# Allegro board 038RT-9068CJK8E-A100_0921_1.brd (continued)
## Copper pours and planes (outline as drawn; the poured copper is in the pictures) (continued)
S1_F_GPIO_VDDIO on BOTTOM: 393.9,186.11 395.19,186.11 395.24,186.06 395.24,181 395.19,180.95 394,180.95 393.82,181.13 393.82,186.03
S1_F_GPIO_VDDIO on L29_POWER: 496.74,142.88 481.5,158.12 425.94,158.12 404.99,179.07 404.99,183.2 403.52,184.67 395.12,184.67 393.24,182.78 393.24,171.13 418.32,146.05 468.49,146.05 473.57,140.97 473.57,55.83 482.57,46.82 500.05,46.82 501.28,48.05 501.28,59.87 496.74,64.41
S1_F_P0_1_5_VDDIO on BOTTOM: 421.79,204.29 421.79,203.1 421.84,203.04 427,203.04 427.05,203.09 427.05,204.29 426.87,204.46 421.97,204.46
S1_F_P0_1_5_VDDIO on BOTTOM: 385.41,214.05 391.03,214.05 391.08,214 391.08,212.91 391,212.83 385.39,212.83 385.31,212.91 385.31,213.95
S1_F_P0_1_5_VDDIO on BOTTOM: 421.76,205.05 421.76,206.22 421.81,206.27 427,206.27 427.05,206.22 427.05,205.02 426.87,204.85 421.97,204.85
S1_F_P0_1_5_VDDIO on L30_POWER: 398.32,188.94 386.59,200.66 386.57,200.66 384.67,202.56 384.67,215.08 385.28,215.69 395.17,215.69 397.37,213.5 397.37,199.07 398,198.44 413.05,198.44 414.14,199.52 414.14,203.63 416.63,206.12 427.34,206.12 427.68,205.77 427.68,198.42 434.39,191.72 434.39,172 440.31,166.08 440.31,123.38 440.14,123.21 440.14,91.85 441.11,90.88 498.64,90.88 503.66,85.85 503.66,53.83 500.91,51.07 494.36,51.07 492.6,52.84 492.6,68.15 483.56,77.19 433.52,77.19 423.91,86.8 423.91,140.43 415.38,148.97 415.38,186.05 412.5,188.94
S1_GPIO_VDDIO on BOTTOM: 395.98,184.66 395.98,192 396.08,192.1 397.53,192.1 397.61,192.02 397.61,184.89 397.33,184.61 396.03,184.61
S1_INH on L17_SIGNAL: 400.17,205.92 400.82,205.92 400.96,206.07 400.96,208.12 400.83,208.26 397.11,208.26 396.75,207.89 396.75,205.91 396.9,205.76 400.01,205.76
S1_LDOIN on BOTTOM: 412.9,186.72 411.5,186.72 411.45,186.77 411.45,191.91 411.61,192.07 412.81,192.07 412.98,191.89 412.98,186.8
S1_LDOIN on L27_POWER: 406.62,197.82 406.62,204.85 407.51,205.74 408.02,205.74 408.15,205.87 408.15,208.15 408.02,208.28 401.83,208.28 401.63,208.09 401.63,206.88 401.45,206.69 397.35,206.69 396.08,205.42 396.08,193.68 399.53,190.23 412.02,190.23 412.65,190.85 412.65,191.79
S1_P0_LDOOUT on L30_POWER: 399.98,206.76 400.21,206.53 404.76,206.53 404.98,206.76 404.98,214.95 404.99,214.95 408.16,218.12 486.54,218.12 493.26,224.84 493.26,243.09 491.69,244.66 486.89,244.66 486.08,243.85 486.08,236.98 481.5,232.41 411.02,232.41 399.98,221.37
S1_P0_VDDIO on BOTTOM: 389.71,215.98 394.91,215.98 394.99,215.91 394.99,214.79 394.96,214.76 389.68,214.76 389.6,214.84 389.6,215.88
S1_P0_VDDIO on L17_SIGNAL: 399.38,209.24 399.38,214.32 400.02,214.96 492.88,214.96 496.4,218.47 496.4,245.68 494.42,247.65 487.98,247.65 486.26,245.93 486.26,241.68 485.11,240.54 423.08,240.54 418.39,235.84 389.36,235.84 389.11,235.59 389.11,209.96 390.1,208.98 399.12,208.98
S1_P1_LDOOUT on L29_POWER: 408.96,209.58 408.96,205.24 408.7,204.98 404.28,204.98 404.04,205.22 404.04,216.11 405.61,217.68 420.91,217.68 423.74,220.51 428.81,220.51 433.86,225.57 496.31,225.57 498.65,227.91 498.65,243.65 499.21,244.22 508.61,244.22 509.31,243.52 509.31,217.09 506.28,214.06 441.25,214.06 440.44,213.25 429.16,213.25 427.7,211.79 422.8,211.79 420.78,209.77 409.14,209.77
S1_P1_VDDIO on BOTTOM: 418.14,202.32 423.2,202.32 423.25,202.27 423.25,201.07 423.07,200.89 417.16,200.89 417.06,200.99 417.06,202.46 417.16,202.56 417.89,202.56
S1_P1_VDDIO on L29_POWER: 420.41,200.95 409.8,200.95 409.66,201.09 409.66,207.34 409.82,207.49 420.83,207.49 423.98,210.64 437.53,210.64 439.01,212.12 520.41,212.12 522.81,214.52 522.81,244.09 521.93,244.96 499.01,244.96 498.78,245.19 498.78,251.85 498.96,252.03 528.25,252.03 528.66,251.62 528.66,205.86 526.59,203.78 440.24,203.78 437.42,200.96 420.39,200.96
S1_P2_GIGA_MDI- on BOTTOM (solid shape): 407.01,216.52 406.98,216.47 406.93,216.48 406.29,217.12 406.55,217.76 406.99,218.69
S1_P3_GIGA_MDI+ on BOTTOM (solid shape): 414.44,217.76 414.78,216.95 414.07,216.24 414.01,216.23 413.98,216.27 414,218.69
S1_P3_GIGA_MDI- on BOTTOM (solid shape): 413.62,216.47 413.59,216.42 413.53,216.43 412.87,217.09 413.16,217.76 413.6,218.69
S1_P5_LDOOUT on L30_POWER: 405.58,214.92 405.58,205.16 405.81,204.93 413.42,204.93 415.37,206.88 515.26,206.88 517.54,209.16 517.54,242.77 516,244.31 509.38,244.31 508.23,243.16 508.23,229.8 495.61,217.17 407.83,217.17
S1_P5_VDDIO on BOTTOM: 418,208.25 418,207.14 418.14,206.99 423.2,206.99 423.25,207.05 423.25,208.24 423.07,208.42 418.17,208.42
S1_P5_VDDIO on L27_POWER: 410.45,214.34 410.45,207.57 411.46,206.56 414.84,206.56 416.67,204.73 520.79,204.73 530.4,214.34 530.4,246.09 528.76,247.73 509.8,247.73 508.62,246.55 508.62,239.52 505.63,236.54 419.82,236.54 410.38,227.1
S1_SWR1_LX on TOP: 575.9,41.55 575.9,42.31 575.96,42.37 578.12,42.37 578.18,42.31 578.18,41.55 577.14,40.51 577.14,39.96 576.81,39.96 576.81,40.63
S1_SWR1_VIN on TOP: 576.81,37.82 576.81,38.37 577.14,38.37 577.14,37.83 577.68,37.29 579.26,37.29 579.58,36.98 579.58,33.48 579.26,33.17 577.04,33.17 576.53,33.68 576.53,37.54
S1_U1_P0_MDI+ on BOTTOM (solid shape): 371.42,206.38 371.43,206.33 371.39,206.3 369.28,206.32 370.2,206.76 370.8,207.01
S1_U1_P1_MDI+ on BOTTOM (solid shape): 359.73,202.37 358.81,201.93 357.99,201.59 357.28,202.3 357.27,202.35 357.32,202.38
S1_U1_P1_MDI- on BOTTOM (solid shape): 358.81,203.21 359.73,202.77 357.51,202.75 357.46,202.78 357.47,202.83 358.13,203.49
S1_U1_P5_MDI+ on BOTTOM (solid shape): 371.42,214 371.43,213.95 371.39,213.92 369.28,213.94 370.2,214.38 370.8,214.63
S1_U1_P6_MDI+ on BOTTOM (solid shape): 359.73,209.99 358.81,209.55 357.94,209.19 357.21,209.92 357.2,209.97 357.25,210
S1_U1_P6_MDI- on BOTTOM (solid shape): 358.81,210.83 359.73,210.39 357.44,210.37 357.4,210.4 357.41,210.45 358.09,211.13
S1_U2_P2_GIGA_MDI+ on BOTTOM (solid shape): 408.22,227.09 408.9,226.52 407.53,226.34 407.49,226.35 407.47,226.4 407.53,227.64
S1_U2_P2_GIGA_MDI- on BOTTOM (solid shape): 406.92,226.4 406.9,226.35 406.86,226.34 405.49,226.52 406.17,227.09 406.86,227.64
S1_U2_P3_GIGA_MDI+ on BOTTOM (solid shape): 414.83,227.09 415.5,226.52 414.14,226.34 414.09,226.35 414.07,226.4 414.13,227.64
S1_U2_P3_GIGA_MDI- on BOTTOM (solid shape): 413.52,226.4 413.5,226.35 413.46,226.34 412.09,226.52 412.77,227.09 413.47,227.64
S1_U6_VDD on L23_POWER: 647.58,50.34 647.58,17.79 649.61,15.76 661.59,15.76 662.82,17 662.82,50.34 661.55,51.61 648.85,51.61
S1_U17_VDD on BOTTOM: 668.69,122.38 670.34,122.38 670.47,122.5 670.47,125.48 670.37,125.58 668.51,125.58 668.44,125.5 668.44,122.63
S1_U17_VDD on BOTTOM: 666.15,85.01 670.42,85.01 670.7,85.29 670.7,87.83 670.34,88.19 666.76,88.19 665.92,87.35 665.92,85.24
S1_U17_VDD on L23_POWER: 674.86,86.61 674.86,123.44 672.96,125.35 657.72,125.35 655.81,123.44 655.81,86.61 659.24,83.19 671.43,83.19
S1_VBAT on TOP: 647.88,84.93 647.88,76.91 649.09,75.7 664.63,75.7 665.35,76.42 665.35,85.32 664.79,85.87 648.82,85.87
S1_VBAT on TOP: 544.13,36.62 544.13,21.67 543.27,20.81 536.99,20.81 536.33,20.15 536.33,18.34 536.97,17.7 543.16,17.7 544.79,16.07 547.59,16.07 548.06,16.55 548.06,22.18 547.49,22.75 547.49,25.15 548,25.65 548,35.94 547.08,36.85 544.36,36.85
S1_VBAT on L29_POWER: 541.11,117.61 535.88,122.85 535.88,182.79 534.87,183.79 442.83,183.79 442.01,184.61 404.83,184.61 396.47,192.97 396.47,208.12 397.47,209.12 403.11,209.12 403.44,208.79 403.44,200.65 403.76,200.33 437.75,200.33 440.22,202.8 561.78,202.8 582.94,181.64 582.94,54.3 590.59,46.64 615.24,46.64 623.06,54.46 623.06,83.9 625.2,86.04 664.01,86.04 665.34,84.71 665.34,73.39 651.41,59.47 651.41,15.94 648.09,12.61 536.89,12.61 535.34,14.16 535.34,18.57 541.11,24.34
S1_VO09 on TOP: 359.07,56.57 359.07,60.86 359.72,61.51 361.77,61.51 362.24,61.04 362.24,56.57
S1_VO09 on BOTTOM: 349.09,226.06 349.09,223.84 349.41,223.52 350.68,223.52 351.31,222.88 351.31,221.42 351.76,220.98 356.39,220.98 356.71,221.3 356.71,226.06 356.39,226.38 349.41,226.38
S1_WAKE on L23_POWER: 399.32,206.71 401.48,206.71 401.83,206.35 401.83,201.28 401.54,200.98 390.17,200.98 389.29,201.87 389.29,220.55 406.29,237.55 464.46,237.55 464.6,237.41 519.37,237.41 526.27,230.5 526.27,178.44 558.02,146.69 558.02,38.73 552.94,33.66 542.78,33.66 540.88,35.56 540.88,130.18 508.49,162.56 508.49,185.42 477.95,215.96 400.19,215.96 399.32,215.09
S2_1_CKXTAL1 on BOTTOM (solid shape): 320.42,272.34 320.91,271.73 319.81,271.67 319.77,271.69 319.75,271.73 319.91,272.93
S2_1_VSENSE on BOTTOM: 229.22,291.14 229.22,287.33 229.6,286.95 236.97,286.95 237.85,286.06 243.06,286.06 244.71,284.41 246.87,284.41 247.63,285.17 247.63,286.89 243.13,291.39 229.47,291.39
S2_1_WAKE on L27_POWER: 174.5,386.93 138.98,422.45 123.75,422.45 121.15,419.85 121.15,391.33 142.93,369.55 142.93,36.75 145.05,34.63 172.37,34.63 174.5,36.77
S2_AVDD09 on BOTTOM: 279.22,251.8 280.51,251.8 280.56,251.74 280.56,246.69 280.51,246.64 279.32,246.64 279.14,246.82 279.14,251.72
S2_AVDD09 on L23_POWER: 279.99,273.78 279.99,267.54 280.22,267.31 282.18,267.31 282.42,267.08 282.42,260.52 282.2,260.3 279.56,260.3 279.25,260 279.25,248.39 279.99,247.64 291.14,247.64 292.24,248.74 292.24,273.92 291.84,274.31 280.53,274.31
S2_AVDD33 on BOTTOM: 269.71,262.38 274.91,262.38 274.99,262.31 274.99,261.19 274.96,261.17 269.68,261.17 269.6,261.24 269.6,262.28
S2_AVDD33 on L13_SIGNAL: 273.61,262.71 280.61,262.71 280.79,262.9 280.79,269.62 280.68,269.73 280.1,269.73 280,269.83 280,272.73 280.33,273.07 294.86,273.07 295.99,271.94 295.99,256.1 295.1,255.22 273.56,255.22 273.12,255.65 273.12,262.22
S2_AVDD33_MOSFET on BOTTOM: 272.6,270.46 272.6,270.46 272.6,270.94 272.75,271.09 274.98,271.09 275.3,270.77 275.3,266.87 275.28,266.85 274.73,266.85 269.78,266.84 269.6,267.01 269.6,269.11 269.68,269.18 272.36,269.18 272.6,269.42
S2_AVDD33_MOSFET on BOTTOM: 238.62,281.74 238.55,281.81 238.55,285.49 238.62,285.55 239.89,285.55 239.95,285.49 239.95,281.81 239.89,281.74
S2_DPS_AVDD09 on L23_POWER: 311.67,461.5 313.74,463.57 341.07,463.57 344.3,460.34 344.3,433.83 375.84,402.29 376.65,401.48 376.65,399.57 376.68,399.54 376.68,356.09 375.99,355.39 362.88,355.39 362.28,355.99 362.28,361.23 362.88,361.83 369.51,361.83 369.94,362.26 369.94,387.25 335.39,421.79 320.31,421.79 311.67,430.44
S2_DPS_AVDD33 on BOTTOM: 265.41,266.19 271.03,266.19 271.08,266.14 271.08,263.12 271.02,263.07 265.37,263.07 265.31,263.13 265.31,266.09
S2_DPS_AVDD33 on L27_POWER: 209.8,258.69 175.43,293.05 175.43,387.92 138.58,424.77 138.58,461.28 141.8,464.5 170.24,464.5 173.25,461.49 173.25,428.56 193.02,408.79 193.02,306.9 227.74,272.18 258.96,272.18 264.73,266.41 268.4,266.41 269.47,265.35 269.47,260.77 267.38,258.69
S2_DPS_AVDD33 on L29_POWER: 149.81,427.52 149.81,470.62 155.58,476.39 322.62,476.39 331.67,467.35 331.67,409 364.05,376.62 364.05,367.81 363.59,367.34 348.19,367.34 345.39,370.15 345.39,379.19 316.55,408.03 316.55,422.06 312.26,426.35 312.1,426.35 312.1,444.66 290.78,465.98 177.15,465.98 173.81,462.64 173.81,424.1 171.97,422.25 155.07,422.25
S2_DPS_DVDD09 on L30_POWER: 319.36,429.04 318.8,429.6 318.8,461.93 320.53,463.66 342.63,463.66 347.88,458.42 347.88,453.07 346.68,451.87 344.8,451.87 343.67,450.74 343.67,390.8 332.13,379.27 332.13,345.17 333.31,343.99 362.85,343.99 364.21,342.63 364.21,332.54 355.21,323.53 328.63,323.53 319.74,332.42 319.74,390.96 328.32,399.53 328.32,399.66 332.99,404.34 332.99,427.95 331.9,429.04
S2_DPS_DVDD33 on BOTTOM: 294.78,246.21 294.78,240.97 294.65,240.85 291.6,240.85 291.45,241 291.45,242.68 291.6,242.83 292.6,242.83 292.8,243.03 292.8,246.33 292.88,246.41 294.57,246.41
S2_DPS_DVDD33 on L29_POWER: 301.8,318.45 315.81,304.44 315.81,249.91 305.62,239.71 291.58,239.71 291.04,240.26 291.04,245.46 299.96,254.38 299.96,263.89 293.23,270.62 293.23,377.33 278.17,392.39 189.79,392.39 175.07,407.12 175.07,453.85 177.95,456.73 190.44,456.73 191.85,455.33 191.85,437.17 188.14,433.46 188.14,419.34 203.43,404.05 293.51,404.05 301.8,395.76
S2_DPS_GPIO_P015VDDIO on L23_POWER: 204.74,380.66 180.33,405.07 180.33,461.2 184.34,465.2 205.68,465.2 208.15,462.73 208.15,417.87 232.26,393.77 344.18,393.77 352.54,385.41 352.54,373.19 357.81,367.92 361.87,367.92 362.51,367.28 362.51,364.03 361.58,363.1 347.98,363.1 344.63,366.45 344.63,379.13 343.1,380.66
S2_DPS_LDOIN on BOTTOM: 290.74,241 290.69,240.95 289.49,240.95 289.32,241.13 289.32,248.19 289.42,248.29 290.59,248.29 290.74,248.14
S2_DPS_LDOIN on L27_POWER: 176.06,432.97 174.4,434.63 174.4,461.47 177.26,464.33 333.95,464.33 336.76,461.52 336.76,440.67 343.57,433.86 343.57,422.09 355.9,409.76 355.9,390.95 364.47,382.38 364.47,362.07 363.55,361.15 346.17,361.15 344.68,362.64 344.68,382.52 330.82,396.37 330.82,420.46 328.93,422.36 271.64,422.36 261.03,432.97
S2_DPS_LDOIN on L30_POWER: 289.11,253.83 289.11,241.55 289.74,240.93 296.74,240.93 297.43,241.63 297.43,248.72 302.07,253.36 315.87,253.36 318.01,255.5 318.01,296.97 290.98,324 248.34,324 245.47,326.88 245.47,398.53 227.49,416.5 227.49,455.9 218.83,464.56 192.74,464.56 192.72,464.58 178.85,464.58 173.97,459.7 173.97,434.25 175.99,432.23 197.89,432.23 202.94,427.19 202.94,412.02 234.17,380.79 234.17,314.95 238.13,310.98 283.73,310.98 309.49,285.22 309.49,262.87 307.25,260.63 295.92,260.63
S2_DVDD09 on BOTTOM: 285.89,243.07 285.89,248.4 285.91,248.43 285.91,253.45 285.71,253.65 285.71,255.02 285.76,255.07 287.89,255.07 288.45,254.51 288.45,244.16 287.31,243.02 285.94,243.02
S2_DVDD09 on L09_SIGNAL: 275.32,254.26 275.32,270.1 276.12,270.9 294.92,270.9 296.9,268.92 296.9,252.9 296.13,252.12 277.46,252.12
S2_DVDD09 on L11_SIGNAL: 282.42,253.49 282.42,264.78 282.25,264.95 279.41,264.95 279.28,265.08 279.28,268.29 280.02,269.03 280.02,273.58 280.53,274.09 291.86,274.09 292.18,273.76 292.18,269.2 291.9,268.92 290.74,268.92 290.58,268.77 290.58,261.23 290.29,260.94 289.93,260.94 289.73,260.73 289.73,253.09 288.5,251.86 284.05,251.86
S2_DVDD33 on BOTTOM: 296.93,244.65 295.53,244.65 295.48,244.7 295.48,249.74 295.31,249.91 295.31,250.7 295.36,250.75 296.99,250.75 297.02,250.72 297.02,244.74
S2_DVDD33 on L27_POWER: 287.51,265.1 293.26,265.1 300.93,257.44 300.93,252.45 298.93,250.45 298.93,248.6 298.58,248.25 293.85,248.25 293.2,248.91 293.2,252.82 287.21,258.81 287.21,264.8
S2_F_AVDD09 on BOTTOM: 281.31,243.01 281.31,248.34 281.42,248.44 282.86,248.44 282.94,248.37 282.94,243.16 282.74,242.96 281.37,242.96
S2_F_AVDD09 on L30_POWER: 282.02,226.84 272.81,236.05 272.81,245.18 276.12,248.48 281.35,248.48 282.5,247.33 282.5,243.63 282.08,243.21 279.85,243.21 279.36,242.72 279.36,239.01 285.87,232.49 329.46,232.49 332.79,235.82 332.79,305.87 321.03,317.63 314.85,317.63 299.67,332.81 299.67,333.43 299.65,333.43 299.65,386.69 323.42,410.46 323.42,420.11 326.84,423.53 326.84,427.09 327.78,428.02 331.52,428.02 332.36,427.18 332.36,406 308.08,381.72 308.08,334.96 316.33,326.71 323.99,326.71 340.46,310.24 340.46,230.28 337.02,226.84
S2_F_DVDD09 on BOTTOM: 285.02,249.71 285.1,249.64 285.1,241.1 284.9,240.9 281.39,240.9 281.29,241 281.29,242.63 281.37,242.7 283.07,242.7 283.27,242.91 283.27,249.53 283.45,249.71
S2_F_DVDD09 on L30_POWER: 285.85,234.6 281.2,239.26 281.2,240.54 281.02,240.73 281.02,242.32 281.4,242.7 282.31,242.7 282.31,242.7 284.33,242.7 285,242.02 285,241 286.07,239.93 297.97,239.93 301.7,243.67 319.54,243.67 320.46,244.59 320.46,298.06 290.15,328.37 290.15,402.13 304.46,416.45 304.46,426.39 306.14,428.06 325.31,428.06 326.15,427.22 326.15,424.18 321.76,419.79 321.76,411.29 297.91,387.45 297.91,332.5 315.16,315.25 320.52,315.25 330.92,304.85 330.92,236.22 329.3,234.6
S2_F_GPIO_VDDIO on BOTTOM: 273.9,246.11 275.19,246.11 275.24,246.05 275.24,241 275.19,240.95 274,240.95 273.82,241.13 273.82,246.03
S2_F_GPIO_VDDIO on L29_POWER: 313.55,334.01 328.44,319.12 328.44,244.38 319.33,235.27 284.97,235.27 281.78,238.46 275.74,238.46 274.43,239.77 274.43,243.33 277.01,245.91 287.65,245.91 289.84,243.72 289.84,240.32 291.08,239.08 306.91,239.08 318.27,250.44 318.27,304.2 302.75,319.72 302.75,398.69 295.53,405.91 204.32,405.91 189.93,420.3 189.93,432.12 191.02,433.21 206.55,433.21 208.55,431.21 208.55,421.59 214.6,415.54 303.17,415.54 313.55,405.17
S2_F_P0_1_5_VDDIO on BOTTOM: 301.79,264.28 301.79,263.1 301.84,263.04 307,263.04 307.05,263.09 307.05,264.29 306.87,264.46 301.97,264.46
S2_F_P0_1_5_VDDIO on BOTTOM: 265.41,274.05 271.03,274.05 271.08,274 271.08,272.91 271,272.83 265.39,272.83 265.31,272.91 265.31,273.95
S2_F_P0_1_5_VDDIO on BOTTOM: 301.76,265.05 301.76,266.22 301.81,266.27 307,266.27 307.05,266.22 307.05,265.02 306.87,264.85 301.97,264.85
S2_F_P0_1_5_VDDIO on L30_POWER: 293.23,263.51 293.23,273.69 291.96,274.95 278.94,274.95 271,267.02 267.19,267.02 265.6,268.61 265.6,281.62 270.15,286.17 270.15,288.78 267.44,291.5 216.77,291.5 209.94,298.33 209.94,380.8 187.18,403.57 187.18,426.8 189.37,428.99 197.58,428.99 199.8,426.77 199.8,407.19 219.91,387.07 219.91,322.68 233.48,309.11 282.54,309.11 307.59,284.06 307.59,263.13 307,262.53 294.2,262.53
S2_GPIO_VDDIO on BOTTOM: 275.98,244.66 275.98,252 276.08,252.1 277.53,252.1 277.61,252.02 277.61,244.89 277.33,244.61 276.03,244.61
S2_H_SW_CTRL on BOTTOM (solid shape): 29.78,145.92 29.11,145.24 29.07,145.23 29.03,145.24 28.35,145.92 29.07,146.7
S2_INH on L17_SIGNAL: 280.17,266.72 280.64,266.72 280.96,267.04 280.96,268.92 280.83,269.06 277.11,269.06 276.75,268.69 276.75,266.71 276.9,266.56 280.01,266.56
S2_LDOIN on BOTTOM: 292.9,246.72 291.5,246.72 291.45,246.77 291.45,251.91 291.61,252.07 292.81,252.07 292.98,251.89 292.98,246.8
S2_LDOIN on L27_POWER: 286.62,257.82 286.62,264.85 287.51,265.74 288.02,265.74 288.15,265.87 288.15,268.15 287.97,268.33 281.87,268.33 281.59,268.05 281.59,266.93 281.37,266.71 277.36,266.71 276.08,265.42 276.08,253.67 279.42,250.34 292.13,250.34 292.65,250.85 292.65,251.79
S2_P0_LDOOUT on L30_POWER: 285.01,262.11 285.01,268.08 284.78,268.31 274.3,268.31 271.08,265.09 265.32,265.09 262.66,267.75 174.71,267.75 173.7,266.75 173.7,240.29 174.7,239.3 183.64,239.3 184.25,239.91 184.25,250.75 191.25,257.75 262.24,257.75 264.78,260.29 276.12,260.29 277.6,261.77 284.68,261.77
S2_P0_VDDIO on BOTTOM: 269.71,275.98 274.91,275.98 274.99,275.91 274.99,274.79 274.96,274.76 269.68,274.76 269.6,274.84 269.6,275.88
S2_P0_VDDIO on L17_SIGNAL: 273.06,270.76 274.69,269.13 280.91,269.13 280.99,269.2 280.99,273.24 281.67,273.93 292.78,273.93 293.18,273.52 293.18,258.76 292.68,258.26 263.94,258.26 260.15,262.05 260.15,274.07 257.95,276.27 177.65,276.27 175.4,274.02 175.4,245.14 175.72,244.82 184.63,244.82 185.5,245.69 185.5,248.29 186.56,249.34 214.66,249.34 221.98,242.01 296.65,242.01 298.33,243.69 301.83,243.69 305.21,247.07 305.21,281.65 303.48,283.39 280.68,283.39 273.06,275.77
S2_P1_LDOOUT on L29_POWER: 288.96,257.15 288.96,266.52 288.8,266.69 277.95,266.69 264.86,279.78 178.42,279.78 177.26,278.62 177.26,242.37 182.07,237.56 193.94,237.56 194.4,238.01 194.4,243.91 194.08,244.23 186.28,244.23 186.07,244.43 186.07,263.5 187.38,264.8 261.37,264.8 271.54,254.63 286.45,254.63
S2_P1_VDDIO on BOTTOM: 298.14,262.32 303.2,262.32 303.25,262.26 303.25,261.07 303.07,260.89 297.16,260.89 297.06,260.99 297.06,262.46 297.16,262.56 297.89,262.56
S2_P1_VDDIO on L29_POWER: 289.64,256.09 289.64,262.67 289.73,264.14 289.91,264.31 298.76,264.31 299.27,263.8 299.27,254.64 291.96,247.33 282.75,247.33 281.96,246.54 277.01,246.54 270.42,239.96 258.28,239.96 245.82,252.41 196.68,252.41 195.49,251.22 195.49,245.78 194.58,244.87 189.89,244.87 189.15,245.61 189.15,261.07 191.02,262.94 259.34,262.94 268.36,253.92 277.59,253.92 277.67,254 287.55,254
S2_P2_GIGA_MDI- on BOTTOM (solid shape): 287.01,276.52 286.98,276.47 286.93,276.48 286.29,277.12 286.55,277.76 286.99,278.69
S2_P3_GIGA_MDI+ on BOTTOM (solid shape): 294.44,277.76 294.78,276.95 294.07,276.24 294.01,276.23 293.98,276.27 294,278.69
S2_P3_GIGA_MDI- on BOTTOM (solid shape): 293.62,276.47 293.59,276.42 293.53,276.43 292.87,277.09 293.16,277.76 293.6,278.69
S2_P5_LDOOUT on L30_POWER: 290.61,266.48 290.38,266.71 285.84,266.71 285.61,266.48 285.61,259.39 284.7,258.48 277.82,258.48 276.55,259.75 265.78,259.75 247.14,241.11 221.23,241.11 219.81,242.53 219.81,251.09 219.16,251.75 201.84,251.75 200.04,249.94 200.04,242.76 200.5,242.31 205.27,242.31 205.94,242.98 205.94,246.36 207.21,247.63 212.89,247.63 214.11,246.42 214.11,237.62 216.94,234.79 267.17,234.79 271.85,239.47 271.85,245.77 275.23,249.16 275.23,252.29 276.37,253.43 286.84,253.43 290.61,257.2
S2_P5_VDDIO on BOTTOM: 298,268.25 298,267.14 298.14,266.99 303.2,266.99 303.25,267.05 303.25,268.24 303.07,268.42 298.17,268.42
S2_P5_VDDIO on L27_POWER: 290.38,274.33 290.38,267.63 291.42,266.6 302.47,266.6 305.99,263.08 305.99,247.94 304.12,246.07 266.55,246.07 255.81,256.81 204.85,256.81 202.29,254.26 202.29,244.93 202.92,244.3 204.87,244.3 207.95,247.38 213.56,247.38 214.11,246.83 214.11,239.08 216.02,237.17 316.53,237.17 318.27,238.91 318.27,274.17 317.17,275.27 291.32,275.27
S2_SWR1_LX on TOP: 155.65,452.54 155.65,451.77 155.59,451.71 153.43,451.71 153.36,451.77 153.36,452.54 154.4,453.58 154.4,454.12 154.73,454.12 154.73,453.45
S2_SWR1_LX on TOP: 118.46,35.99 118.46,36.75 118.53,36.81 120.69,36.81 120.75,36.75 120.75,35.99 119.71,34.94 119.71,34.4 119.38,34.4 119.38,35.07
S2_SWR1_VIN on TOP: 154.73,456.27 154.73,455.71 154.4,455.71 154.4,456.26 153.87,456.79 152.28,456.79 151.97,457.11 151.97,460.6 152.28,460.92 154.51,460.92 155.01,460.41 155.01,456.55
S2_U1_P0_MDI+ on BOTTOM (solid shape): 251.43,266.38 251.43,266.33 251.39,266.3 249.28,266.32 250.2,266.76 250.8,267.01
S2_U1_P1_MDI+ on BOTTOM (solid shape): 239.73,262.37 238.81,261.93 237.99,261.59 237.28,262.3 237.27,262.35 237.32,262.38
S2_U1_P1_MDI- on BOTTOM (solid shape): 238.81,263.21 239.73,262.77 237.51,262.74 237.46,262.78 237.47,262.83 238.13,263.49
S2_U1_P5_MDI+ on BOTTOM (solid shape): 251.43,274 251.43,273.95 251.39,273.92 249.28,273.94 250.2,274.38 250.8,274.63
S2_U1_P6_MDI+ on BOTTOM (solid shape): 239.73,269.99 238.81,269.55 237.94,269.19 237.21,269.92 237.2,269.97 237.25,270
S2_U1_P6_MDI- on BOTTOM (solid shape): 238.81,270.83 239.73,270.39 237.44,270.36 237.4,270.4 237.41,270.45 238.09,271.13
S2_U2_P2_GIGA_MDI+ on BOTTOM (solid shape): 288.22,287.09 288.9,286.52 287.53,286.34 287.49,286.35 287.47,286.4 287.53,287.64
S2_U2_P2_GIGA_MDI- on BOTTOM (solid shape): 286.92,286.4 286.9,286.35 286.86,286.34 285.49,286.52 286.17,287.09 286.86,287.64
S2_U2_P3_GIGA_MDI+ on BOTTOM (solid shape): 294.83,287.09 295.5,286.52 294.14,286.34 294.09,286.35 294.07,286.4 294.13,287.64
S2_U2_P3_GIGA_MDI- on BOTTOM (solid shape): 293.52,286.4 293.5,286.35 293.46,286.34 292.09,286.52 292.77,287.09 293.47,287.64
S2_U6_VDD on BOTTOM: 27.05,143.43 27.05,138.5 27.62,137.93 29.56,137.93 29.94,138.31 29.94,143.38 29.36,143.96 27.58,143.96
S2_U6_VDD on L23_POWER: 27.8,175.89 27.8,138.75 29.07,137.48 42.08,137.48 43.04,138.43 43.04,175.89 41.77,177.16 29.07,177.16
S2_U17_VDD on BOTTOM: 21.99,322.86 21.99,320.1 21.7,319.81 20.28,319.81 19.92,320.17 19.92,322.71 20.18,322.96 21.89,322.96
S2_U17_VDD on BOTTOM: 20.18,357.35 20.18,360.11 20.47,360.4 24.43,360.4 24.62,360.21 24.62,357.57 24.3,357.25 20.28,357.25
S2_U17_VDD on L23_POWER: 15.73,358.77 15.73,321.94 17.64,320.04 32.88,320.04 34.78,321.94 34.78,358.77 32.24,361.31 18.27,361.31
S2_VBAT on TOP: 128.16,422.5 128.16,427.2 129.02,428.07 135.3,428.07 135.96,428.72 135.96,430.53 135.32,431.17 129.13,431.17 127.75,432.55 127.75,438.03 127.27,438.51 124.69,438.51 124.21,438.02 124.21,432.65 124.83,432.03 124.83,428.82 124.15,428.14 124.15,421.87 124.74,421.27 126.93,421.27
S2_VBAT on TOP: 36.46,401.02 43.27,401.02 43.77,401.52 43.77,416.28 42.38,417.68 35.67,417.68 34.05,416.05 34.05,403.43
S2_VBAT on L29_POWER: 102.15,425.37 80.13,425.37 75.45,420.7 75.45,405.38 70.73,400.66 35.31,400.66 31.47,404.5 31.47,423.84 42.21,434.57 42.21,454.88 61.22,473.9 139.6,473.9 146.58,466.92 146.58,361.06 187.38,320.26 283.49,320.26 290.61,313.14 290.61,268.47 290.3,268.16 277.88,268.16 277.6,268.44 277.6,284.37 270.17,291.81 122.56,291.81 100.46,313.91 100.46,373.64 106.01,379.19 106.01,421.51
S2_VO09 on TOP: 325.45,420.37 325.45,415.89 325.92,415.42 327.97,415.42 328.62,416.07 328.62,420.37
S2_VO09 on BOTTOM: 229.09,286.06 229.09,283.84 229.41,283.52 230.68,283.52 231.31,282.88 231.31,281.42 231.76,280.98 236.39,280.98 236.71,281.3 236.71,286.06 236.39,286.38 229.41,286.38
S2_WAKE on L23_POWER: 148.24,155.19 148.24,36.49 146.12,34.37 131.84,34.37 130.35,35.86 130.35,162.43 179.91,211.99 179.91,266.25 184.57,270.92 278.36,270.92 278.65,270.62 278.65,266.84 278.84,266.65 281.61,266.65 281.8,266.47 281.8,262.08 281.49,261.77 277.97,261.77 277.69,261.49 277.69,258.4 276.37,257.09 207.12,257.09 201.08,251.05 201.08,208.03
S3_1_CKXTAL1 on BOTTOM (solid shape): 440.42,272.34 440.91,271.73 439.81,271.67 439.77,271.69 439.75,271.73 439.91,272.93
S3_1_VSENSE on BOTTOM: 349.22,291.14 349.22,287.33 349.6,286.95 356.97,286.95 357.85,286.06 363.06,286.06 364.71,284.41 366.87,284.41 367.63,285.17 367.63,286.89 363.13,291.39 349.47,291.39
S3_1_WAKE on L27_POWER: 530.47,433.64 546.84,433.64 568.01,412.47 568.01,33.28 563.03,28.3 537.55,28.3 536.41,29.44 536.41,44.65 550.24,58.49 550.24,321.61 528.42,343.43 528.42,431.58
S3_AVDD09 on BOTTOM: 399.22,251.8 400.51,251.8 400.56,251.74 400.56,246.69 400.51,246.64 399.32,246.64 399.14,246.82 399.14,251.72
S3_AVDD09 on L23_POWER: 399.99,273.78 399.99,267.54 400.22,267.31 402.15,267.31 402.44,267.03 402.44,260.54 402.2,260.3 399.56,260.3 399.25,260 399.25,248.39 399.99,247.64 411.14,247.64 412.24,248.74 412.24,273.92 411.84,274.31 400.53,274.31
S3_AVDD33 on BOTTOM: 389.71,262.38 394.91,262.38 394.99,262.31 394.99,261.19 394.96,261.17 389.68,261.17 389.6,261.24 389.6,262.28
S3_AVDD33 on L13_SIGNAL: 393.61,262.71 400.61,262.71 400.79,262.9 400.79,269.62 400.68,269.73 400.1,269.73 400,269.83 400,272.73 400.33,273.07 414.86,273.07 415.99,271.94 415.99,256.1 415.1,255.22 393.56,255.22 393.12,255.65 393.12,262.22
S3_AVDD33_MOSFET on BOTTOM: 392.6,270.46 392.6,270.94 392.75,271.09 394.98,271.09 395.3,270.77 395.3,266.87 395.28,266.85 394.73,266.85 389.78,266.84 389.6,267.01 389.6,269.12 389.67,269.18 392.36,269.18 392.6,269.42
S3_AVDD33_MOSFET on BOTTOM: 358.62,281.74 358.55,281.81 358.55,285.49 358.62,285.55 359.89,285.55 359.95,285.49 359.95,281.81 359.89,281.74
S3_DPS_AVDD09 on L23_POWER: 489.51,413.57 493.1,417.16 493.1,461.22 494.8,462.91 514.21,462.91 515.48,461.64 515.48,416.35 505.87,406.73 408.26,406.73 402.11,400.58 402.11,377.21 398.1,373.2 386.05,373.2 385.16,374.09 385.16,389.75 392.81,397.41 392.81,407.22 399.16,413.57
S3_DPS_AVDD33 on BOTTOM: 385.41,266.19 391.03,266.19 391.08,266.14 391.08,263.12 391.02,263.07 385.37,263.07 385.31,263.13 385.31,266.09
S3_DPS_AVDD33 on L27_POWER: 375.9,416.15 383.93,408.12 383.93,308.64 380.81,305.52 367.29,305.52 351.01,289.24 351.01,280.67 364.98,266.7 389.41,266.7 392.91,263.2 392.91,256.21 392.9,256.21 392.9,245.3 390.79,243.19 335.77,243.19 327.12,251.84 327.12,312.35 337.56,322.79 357.56,322.79 366.09,331.33 366.09,382.21 358.34,389.97 358.34,409.12 344.3,423.16 344.3,434.36 338.47,440.19 338.47,460.98 341.79,464.31 352.71,464.31 355.31,461.71 355.31,435.16 358.08,432.4 372.08,432.4 375.9,428.58
S3_DPS_AVDD33 on L29_POWER: 362.89,379.5 334.68,407.7 334.68,462.29 336.07,463.68 352.48,463.68 356,460.16 356,405.95 356,405.95 370.31,391.64 387.03,391.64 389.58,389.09 389.58,368.35 388.96,367.73 375.09,367.73 373.53,369.29 373.53,377.16 371.19,379.5
S3_DPS_DVDD09 on L30_POWER: 385.06,368.28 385.06,388.07 405.87,408.89 486.43,408.89 492.17,414.63 492.17,460.96 493.76,462.55 522.46,462.55 523.74,461.28 523.74,402.03 501.75,380.05 408.68,380.05 405.56,376.93 405.56,370.26 402.41,367.11 386.23,367.11
S3_DPS_DVDD33 on BOTTOM: 414.78,246.21 414.78,240.97 414.65,240.85 411.6,240.85 411.45,241 411.45,242.68 411.6,242.83 412.6,242.83 412.8,243.03 412.8,246.33 412.88,246.41 414.57,246.41
S3_DPS_DVDD33 on L29_POWER: 361.81,244.16 361.81,300.04 395.35,333.59 395.35,387.45 390.44,392.36 370.8,392.36 356.83,406.32 356.83,455.61 361.75,460.53 367.45,460.53 370.76,457.22 370.76,434.52 366.14,429.9 366.14,415.76 374.56,407.33 395.82,407.33 403.61,399.53 403.61,328.13 372.46,296.98 372.46,248.15 383.12,237.49 399.59,237.49 399.61,237.51 410.23,237.51 411.47,238.75 411.47,242.14 412,242.67 420.56,242.67 421.21,242.02 421.21,234.63 418.74,232.16 373.81,232.16
S3_DPS_GPIO_P015VDDIO on L23_POWER: 366.59,415.63 366.59,461.27 369.23,463.92 379.1,463.92 381.03,461.99 381.03,430.3 391.22,420.11 391.22,400.04 383.9,392.72 383.9,372.72 384.68,371.93 387.14,371.93 387.58,371.49 387.58,366.13 386.73,365.28 379.04,365.28 377.5,366.82 377.5,404.72
S3_DPS_LDOIN on BOTTOM: 410.74,241 410.69,240.95 409.49,240.95 409.32,241.13 409.32,248.19 409.42,248.29 410.59,248.29 410.74,248.14
S3_DPS_LDOIN on L27_POWER: 358.52,464.19 380.01,464.19 383.06,461.14 383.06,447.43 408.33,422.16 408.33,364.65 405.31,361.64 388.03,361.64 387.33,362.33 387.33,407.74 376.93,418.14 376.93,429.23 373.07,433.09 358.34,433.09 356.03,435.4 356.03,461.7
S3_DPS_LDOIN on L30_POWER: 370.68,243.79 409.43,243.79 410.6,242.62 410.6,234.33 409.63,233.36 358.36,233.36 355.17,236.54 355.17,321.94 365.71,332.48 365.71,398.21 360.31,403.61 360.31,403.62 358.96,404.98 358.96,429.62 356.16,432.41 356.16,449.92 356.67,450.43 359.44,450.43 360,450.99 360,453.75 361.9,455.65 370.65,455.65 373.33,452.97 373.33,429.74 371.89,428.29 371.89,409.49 373.64,407.74 373.64,325.6 365.46,317.41 365.46,249.01
S3_DVDD09 on BOTTOM: 405.89,243.07 405.89,248.4 405.91,248.43 405.91,253.45 405.71,253.65 405.71,255.02 405.76,255.07 407.89,255.07 408.45,254.51 408.45,244.16 407.31,243.02 405.94,243.02
S3_DVDD09 on L09_SIGNAL: 395.32,254.26 395.32,270.1 396.13,270.91 414.91,270.91 416.9,268.92 416.9,252.9 416.13,252.12 397.46,252.12
S3_DVDD09 on L11_SIGNAL: 402.42,253.49 402.42,264.78 402.25,264.95 399.41,264.95 399.28,265.08 399.28,268.29 400.02,269.03 400.02,273.58 400.53,274.09 411.86,274.09 412.18,273.76 412.18,269.2 411.9,268.92 410.74,268.92 410.58,268.77 410.58,261.23 410.29,260.94 409.93,260.94 409.73,260.73 409.73,253.09 408.5,251.86 404.05,251.86
S3_DVDD33 on BOTTOM: 416.93,244.65 415.53,244.65 415.48,244.7 415.48,249.74 415.31,249.91 415.31,250.7 415.36,250.75 416.99,250.75 417.02,250.72 417.02,244.74
S3_DVDD33 on L27_POWER: 407.51,265.1 412.88,265.1 420.93,257.06 420.93,252.45 418.93,250.45 418.93,248.6 418.58,248.25 413.85,248.25 413.2,248.91 413.2,252.82 407.21,258.81 407.21,264.8
S3_F_AVDD09 on BOTTOM: 401.31,243.01 401.31,248.34 401.42,248.44 402.86,248.44 402.94,248.37 402.94,243.16 402.74,242.96 401.36,242.96
S3_F_AVDD09 on L29_POWER: 490.29,322.15 470.47,302.34 425.52,302.34 401.75,278.57 401.75,259.14 402.45,258.44 409.43,258.44 410.7,257.18 410.7,246.9 406.92,243.13 401.66,243.13 401.49,243.3 401.49,251.34 395.46,257.37 395.46,291.15 418.46,314.15 468.94,314.15 474.53,319.73 474.53,385.66 505.03,416.16 505.03,427.87 506.68,429.52 517.4,429.52 518.61,428.32 518.61,407.47 490.29,379.15
S3_F_DVDD09 on BOTTOM: 405.02,249.71 405.1,249.64 405.1,241.1 404.9,240.9 401.39,240.9 401.29,241 401.29,242.63 401.36,242.7 403.07,242.7 403.27,242.91 403.27,249.53 403.45,249.71
S3_F_DVDD09 on L29_POWER: 465.27,378.64 465.27,321.46 458.38,314.57 417.61,314.57 394.83,291.78 394.83,257.29 400.9,251.22 400.9,243.17 401.27,242.8 402.02,242.8 402.7,242.12 402.7,239.34 402.14,238.77 396.34,238.77 395.5,239.61 395.5,243.57 392.09,246.99 388.71,246.99 384.03,251.66 384.03,293.69 415.2,324.86 448.43,324.86 450.03,326.45 450.03,394.65 485.67,430.3 501.58,430.3 503.98,427.89 503.98,417.36
S3_F_GPIO_VDDIO on BOTTOM: 393.9,246.11 395.19,246.11 395.24,246.05 395.24,241 395.19,240.95 394,240.95 393.82,241.13 393.82,246.03
S3_F_GPIO_VDDIO on L29_POWER: 394.23,238.12 384.22,238.12 374.54,247.81 374.54,297.07 405.09,327.63 405.09,401.48 397.14,409.43 376.72,409.43 368.01,418.15 368.01,427.2 374.52,433.71 401,433.71 415.54,419.18 415.54,326.96 383.08,294.5 383.08,249.56 386.57,246.06 392.28,246.06 394.95,243.38 394.95,238.85
S3_F_P0_1_5_VDDIO on BOTTOM: 385.41,274.05 391.03,274.05 391.08,274 391.08,272.91 391,272.83 385.39,272.83 385.31,272.91 385.31,273.95
S3_F_P0_1_5_VDDIO on BOTTOM: 421.76,265.05 421.76,266.22 421.81,266.27 427,266.27 427.05,266.22 427.05,265.02 426.87,264.85 421.97,264.85
S3_F_P0_1_5_VDDIO on BOTTOM: 421.79,264.28 421.79,263.1 421.84,263.04 427,263.04 427.05,263.09 427.05,264.29 426.87,264.46 421.97,264.46
S3_F_P0_1_5_VDDIO on L30_POWER: 413.56,263.53 413.56,273.35 411.96,274.95 398.94,274.95 391.64,267.65 386.57,267.65 379.1,275.13 379.1,289.12 369.32,298.9 369.32,319.56 374.36,324.6 374.36,409.51 373.07,410.8 373.07,426.44 376.02,429.39 389.82,429.39 399.17,420.03 399.17,404.4 383.56,388.8 383.56,316.54 404.39,295.71 422.17,295.71 428.07,289.8 428.07,262.86 427.59,262.38 414.71,262.38
S3_GPIO_VDDIO on BOTTOM: 395.98,244.66 395.98,252 396.08,252.1 397.53,252.1 397.61,252.02 397.61,244.89 397.33,244.61 396.03,244.61
S3_H_SW_CTRL on BOTTOM (solid shape): 655.89,147.19 655.22,146.51 655.18,146.5 655.14,146.51 654.46,147.19 655.18,147.97
S3_INH on L17_SIGNAL: 400.17,265.92 400.64,265.92 400.96,266.24 400.96,268.12 400.83,268.26 397.11,268.26 396.65,267.8 396.65,266 396.9,265.76 400.01,265.76
S3_LDOIN on BOTTOM: 412.9,246.72 411.5,246.72 411.45,246.77 411.45,251.91 411.61,252.07 412.81,252.07 412.98,251.89 412.98,246.8
S3_LDOIN on L27_POWER: 406.62,257.82 406.62,264.85 407.51,265.74 408.02,265.74 408.15,265.87 408.15,268.15 407.97,268.33 401.87,268.33 401.59,268.05 401.59,266.93 401.36,266.71 397.36,266.71 396.08,265.42 396.08,253.67 399.42,250.34 412.13,250.34 412.65,250.85 412.65,251.79
S3_P0_LDOOUT on L30_POWER: 405.01,258.17 405.01,268.08 404.78,268.31 400.24,268.31 400.01,268.08 400.01,246.99 402.32,244.68 409.76,244.68 411.1,243.35 411.1,240.59 414.86,236.83 483.54,236.83 484.99,238.28 484.99,243.86 484.42,244.43 479.13,244.43 477.93,243.23 424.62,243.23 416.52,251.33 411.46,251.33 404.98,257.82 404.98,258.14
S3_P0_VDDIO on BOTTOM: 389.71,275.98 394.91,275.98 394.99,275.91 394.99,274.79 394.96,274.76 389.68,274.76 389.6,274.84 389.6,275.88
S3_P0_VDDIO on L17_SIGNAL: 399.38,269.17 399.38,274.32 400.02,274.95 413.29,274.95 443.59,244.66 484.22,244.66 484.8,245.24 484.8,292.77 483.88,293.69 395.94,293.69 391.99,289.73 391.99,270.08 393.09,268.98 399.19,268.98
S3_P1_LDOOUT on L29_POWER: 407.5,263.3 413.47,263.3 413.48,263.29 414.67,263.29 415.59,264.21 480.91,264.21 490.5,254.62 493.85,254.62 496.19,252.28 496.19,244.85 495.93,244.59 493.4,244.59 492.92,244.11 492.92,240 493.39,239.53 497.42,239.53 498.18,240.29 498.18,269.4 491.06,276.52 422.51,276.52 413.51,267.51 407.43,267.51 407.24,267.33 407.24,263.56
S3_P1_VDDIO on BOTTOM: 418.14,262.32 423.2,262.32 423.25,262.26 423.25,261.07 423.07,260.89 417.16,260.89 417.06,260.99 417.06,262.46 417.16,262.56 417.89,262.56
S3_P1_VDDIO on L29_POWER: 477.98,244.99 474.63,248.34 416.07,248.34 411.34,253.07 411.34,257.13 409.65,258.81 409.65,262.45 409.92,262.72 480.01,262.72 490.49,252.23 495.08,252.23 495.76,251.56 495.76,245.28 495.47,244.99 ; 1 cut-out
S3_P2_GIGA_MDI- on BOTTOM (solid shape): 407.01,276.52 406.98,276.47 406.93,276.48 406.29,277.12 406.55,277.76 406.99,278.69
S3_P3_GIGA_MDI+ on BOTTOM (solid shape): 414.44,277.76 414.78,276.95 414.07,276.24 414.01,276.23 413.98,276.27 414,278.69
S3_P3_GIGA_MDI- on BOTTOM (solid shape): 413.62,276.47 413.59,276.42 413.53,276.43 412.87,277.09 413.16,277.76 413.6,278.69
S3_P5_LDOOUT on L30_POWER: 410.61,266.48 410.38,266.71 405.84,266.71 405.61,266.48 405.61,258.13 411.49,252.25 425.29,252.25 431.39,246.15 468.89,246.15 476.42,253.68 496.43,253.68 497.32,252.79 497.32,242.77 498.08,242.02 506.21,242.02 507.27,243.08 507.27,266.75 505.7,268.32 455.96,268.32 447.9,260.26 411.23,260.26 410.61,260.88
S3_P5_VDDIO on BOTTOM: 418,268.25 418,267.14 418.14,266.99 423.2,266.99 423.25,267.05 423.25,268.24 423.07,268.42 418.17,268.42
S3_P5_VDDIO on L27_POWER: 410.38,267.63 411.44,266.57 414.05,266.57 416.07,264.55 416.07,264.55 423.07,257.56 427.57,257.56 445.78,239.34 506.12,239.34 507.39,240.61 507.39,279.76 506.2,280.94 412.97,280.94 410.38,278.36
S3_SWR1_LX on TOP: 571.86,449.51 571.86,448.75 571.8,448.69 569.64,448.69 569.57,448.75 569.57,449.51 570.62,450.56 570.62,451.1 570.95,451.1 570.95,450.43
S3_SWR1_LX on TOP: 155.65,452.54 155.65,451.77 155.59,451.71 153.43,451.71 153.36,451.77 153.36,452.54 154.4,453.58 154.4,454.12 154.73,454.12 154.73,453.45
S3_SWR1_LX on TOP: 118.46,35.99 118.46,36.75 118.53,36.81 120.69,36.81 120.75,36.75 120.75,35.99 119.71,34.94 119.71,34.4 119.38,34.4 119.38,35.07
S3_SWR1_VIN on TOP: 570.95,453.25 570.95,452.69 570.62,452.69 570.62,453.24 570.08,453.77 568.49,453.77 568.18,454.09 568.18,457.58 568.49,457.9 570.72,457.9 571.23,457.39 571.23,453.53
S3_TAPSL0_HIGH on BOTTOM (solid shape): 590.03,423.06 589.35,422.38 589.31,422.37 589.27,422.38 588.59,423.06 589.31,423.84
S3_TAPSL1_HIGH on BOTTOM (solid shape): 579.87,423.06 579.19,422.38 579.15,422.37 579.11,422.38 578.43,423.06 579.15,423.84
S3_U1_P0_MDI+ on BOTTOM (solid shape): 371.42,266.38 371.43,266.33 371.39,266.3 369.28,266.32 370.2,266.76 370.8,267.01
S3_U1_P1_MDI+ on BOTTOM (solid shape): 359.73,262.37 358.81,261.93 357.99,261.59 357.28,262.3 357.27,262.35 357.32,262.38
S3_U1_P1_MDI- on BOTTOM (solid shape): 358.81,263.21 359.73,262.77 357.51,262.74 357.46,262.78 357.47,262.83 358.13,263.49
S3_U1_P5_MDI+ on BOTTOM (solid shape): 371.42,274 371.43,273.95 371.39,273.92 369.28,273.94 370.2,274.38 370.8,274.63
S3_U1_P6_MDI+ on BOTTOM (solid shape): 359.73,269.99 358.81,269.55 357.94,269.19 357.21,269.92 357.2,269.97 357.25,270
S3_U1_P6_MDI- on BOTTOM (solid shape): 358.81,270.83 359.73,270.39 357.44,270.36 357.4,270.4 357.41,270.45 358.09,271.13
S3_U2_P2_GIGA_MDI+ on BOTTOM (solid shape): 408.22,287.09 408.9,286.52 407.53,286.34 407.49,286.35 407.47,286.4 407.53,287.64
S3_U2_P2_GIGA_MDI- on BOTTOM (solid shape): 406.92,286.4 406.9,286.35 406.86,286.34 405.49,286.52 406.17,287.09 406.86,287.64
S3_U2_P3_GIGA_MDI+ on BOTTOM (solid shape): 414.83,287.09 415.5,286.52 414.14,286.34 414.09,286.35 414.07,286.4 414.13,287.64
S3_U2_P3_GIGA_MDI- on BOTTOM (solid shape): 413.52,286.4 413.5,286.35 413.46,286.34 412.09,286.52 412.77,287.09 413.47,287.64
S3_U6_VDD on BOTTOM: 653.87,142.22 653.87,144.52 654,144.65 658.72,144.65 658.89,144.48 658.89,142.08 658.73,141.93 654.16,141.93
S3_U6_VDD on L23_POWER: 647.58,176.7 647.58,134.6 648.83,133.35 661.53,133.35 662.82,134.64 662.82,176.7 661.55,177.97 648.85,177.97
S3_U17_VDD on BOTTOM: 668.69,357.71 670.34,357.71 670.47,357.84 670.47,360.81 670.37,360.91 668.51,360.91 668.44,360.83 668.44,357.96
S3_U17_VDD on BOTTOM: 666.15,320.34 670.42,320.34 670.7,320.62 670.7,323.16 670.34,323.52 666.76,323.52 665.92,322.68 665.92,320.57
S3_U17_VDD on L23_POWER: 674.86,321.94 674.86,358.77 672.96,360.68 657.72,360.68 655.81,358.77 655.81,321.94 658.35,319.4 672.32,319.4
S3_VBAT on TOP: 533.93,433.44 533.93,438.14 534.79,439.01 541.07,439.01 541.73,439.66 541.73,441.47 541.08,442.11 534.9,442.11 533.52,443.49 533.52,448.97 533.04,449.45 530.46,449.45 529.98,448.96 529.98,443.59 530.6,442.97 530.6,439.76 529.92,439.08 529.92,432.81 530.51,432.21 532.7,432.21
S3_VBAT on TOP: 646.65,406.32 646.65,398.31 647.86,397.1 663.39,397.1 664.11,397.82 664.11,406.72 663.56,407.27 647.6,407.27
S3_VBAT on L29_POWER: 402.88,268.16 402.43,268.61 402.43,278.42 424.96,300.95 470.99,300.95 499.92,329.88 499.92,386.03 522.42,408.53 522.42,461.21 526.02,464.82 632.29,464.82 637.75,459.36 637.75,410.2 640.18,407.77 644.92,407.77 645.04,407.89 664.47,407.89 665.28,407.08 665.28,393.66 664.82,393.2 619.36,393.2 616,396.55 616,439.81 614.61,441.2 547,441.2 545.73,439.93 545.73,343.29 480.45,278.01 422.77,278.01 412.92,268.16
S3_VO09 on TOP: 503.23,420.37 503.23,415.89 503.7,415.42 505.76,415.42 506.41,416.07 506.41,420.37
S3_VO09 on BOTTOM: 349.09,286.06 349.09,283.84 349.41,283.52 350.68,283.52 351.31,282.88 351.31,281.42 351.76,280.98 356.39,280.98 356.71,281.3 356.71,286.06 356.39,286.38 349.41,286.38
S3_WAKE on L23_POWER: 399.91,266.72 401.34,266.72 401.77,266.28 401.77,261.12 401.63,260.98 396.1,260.98 394.83,259.71 394.83,234.95 386.57,226.69 386.57,193.04 401.81,177.8 490.08,177.8 539.61,128.27 539.61,35.56 537.7,33.66 519.29,33.66 516.75,36.19 516.75,125.09 482.46,159.38 394.19,159.38 368.79,184.78 368.79,268.61 377.68,277.5 396.1,277.5 399.34,274.25 399.34,267.29
SC_LDOB2_1V8 on TOP: 50.66,411.48 50.66,406.4 51.93,405.13 51.93,401.96 50.66,400.69 50.66,399.41 51.29,398.78 55.1,398.78 55.74,399.41 55.74,400.69 54.47,401.96 54.47,405.13 55.74,406.4 55.74,411.48 55.1,412.12 51.29,412.12
SC_Q1_S on TOP: 20.58,388.85 22.31,388.85 22.39,388.92 22.39,391.95 21.65,392.69 21.65,395.05 21.5,395.2 18.68,395.2 18.53,395.05 18.53,392.43 20.28,390.68 20.28,389.15
SC_SRC_VIN_BST1 on L05_SIGNAL: 10.02,417.19 10.02,404.5 18.04,396.47 18.04,384.94 21.17,381.81 42.86,381.81 44.43,383.39 44.43,417.42 43.08,418.78 11.6,418.78
SC_VBAT_HV on TOP: 4.2,377.22 4.2,392.86 4.86,393.52 11.74,393.52 12.33,394.11 14.74,394.11 15.07,393.78 15.07,392.15 13.65,390.73 13.65,379.22 13.37,378.94 8.65,378.94 8.42,378.71 8.42,376.91 8.21,376.71 4.71,376.71
SC_VBAT_HV on L27_POWER: 1.31,1.02 1.31,487.43 689.28,487.43 689.28,1.02 ; 2 cut-outs
SC_VIN_BST1 on TOP: 23.07,390.59 23.07,391.89 25.22,391.89 25.43,391.67 25.43,390.19 25.38,390.14 24.84,390.14 24.46,390.52 23.13,390.52
SC_VIN_BST1 on TOP: 24.64,391.17 23.87,391.17 23.65,391.39 23.65,391.88 25.65,393.88 28.78,393.88 30.24,392.43 35.65,392.43 36.48,391.59 36.48,386 37.04,385.44 43.7,385.44 44,385.14 44,373.74 43.32,373.05 31.07,373.05 31.07,387.8 29.06,389.81 29.06,390.76 27.85,391.97 25.44,391.97
SC_VIN_BST1 on L23_POWER: 25.7,385.64 29.26,382.08 43.99,382.08 46.59,384.68 46.59,396.49 43.16,399.92 26.53,399.92 25.7,399.1
SC_VSW_BST1 on TOP: 15.27,388.49 23.56,388.49 23.81,388.24 23.81,373.3 23.25,372.75 15.78,372.75 15,373.53 15,388.21
SG0_1_P2_GIGA_MDI+ on TOP (solid shape): 57.96,211.26 58.89,210.82 56.3,210.8 56.25,210.83 56.26,210.89 57.03,211.65
SG0_1_P2_GIGA_MDI- on TOP (solid shape): 58.89,210.42 57.96,209.98 57.03,209.59 56.26,210.35 56.25,210.41 56.3,210.44
SG0_1_P3_GIGA_MDI+ on TOP (solid shape): 57.96,215.9 58.89,215.46 56.3,215.44 56.25,215.47 56.26,215.53 57.03,216.29
SG0_1_P3_GIGA_MDI- on TOP (solid shape): 58.89,215.06 57.96,214.62 57.03,214.23 56.26,214.99 56.25,215.05 56.3,215.08
SG0_2_P2_GIGA_MDI+ on TOP (solid shape): 53.23,210.96 53.21,210.92 53.18,210.9 51.93,210.95 52.48,211.65 53.05,212.32
SG0_2_P2_GIGA_MDI- on TOP (solid shape): 53.18,210.34 53.21,210.32 53.23,210.28 53.05,208.92 52.48,209.59 51.93,210.29
SG0_2_P3_GIGA_MDI+ on TOP (solid shape): 53.23,215.6 53.21,215.56 53.18,215.54 51.93,215.59 52.48,216.29 53.05,216.96
SG0_2_P3_GIGA_MDI- on TOP (solid shape): 53.18,214.98 53.21,214.96 53.23,214.92 53.05,213.56 52.48,214.23 51.93,214.93
SG0_AVDD09 on BOTTOM: 112.29,200.38 112.29,201.67 112.24,201.72 107.19,201.72 106.89,201.43 106.89,200.51 107.1,200.3 112.22,200.3
SG0_AVDD09 on L30_POWER: 112.12,200.78 112.12,219.13 108.93,222.32 80.94,222.32 79.69,221.07 79.69,197.99 80.17,197.51 108.85,197.51
SG0_AVDD33 on BOTTOM: 97.81,190.05 96.51,190.05 96.46,190.1 96.46,195.15 96.59,195.28 97.63,195.28 97.89,195.02 97.89,190.12
SG0_AVDD33 on L29_POWER: 83.04,212.72 83.04,199.07 88.36,193.76 102.81,193.76 104,194.94 104,207.96 100.43,211.53 95.61,211.53 95.31,211.23 95.31,206.9 95.12,206.71 90.84,206.71 90.66,206.88 90.66,214 90.34,214.31 84.63,214.31
SG0_AVDD33_MOSFET on BOTTOM: 90.58,190.05 91.88,190.05 91.93,190.1 91.93,195.28 91.8,195.4 87.26,195.4 86.85,195 86.85,193.04 86.9,192.99 89.74,192.99 90.5,192.23 90.5,190.12
SG0_AVDD33_MOSFET on L27_POWER: 90.51,202.56 90.51,194.46 92.25,192.72 101.14,192.72 102.73,194.31 102.73,201.93 101.94,202.72 90.66,202.72
SG0_DVDD09 on BOTTOM: 115.89,209.04 115.89,207.74 115.84,207.69 105.31,207.69 105.14,207.52 103.59,207.52 103.46,207.65 103.46,208.81 103.76,209.11 115.81,209.11
SG0_DVDD09 on L23_POWER: 84.98,197.49 104.95,197.49 108.44,200.98 108.44,208.42 107.82,209.04 102.8,209.04 102.06,208.31 94.27,208.31 93.51,207.54 92.67,207.54 91.91,208.31 84.69,208.31 84.19,207.8 84.19,198.27
SG0_DVDD33 on BOTTOM: 112.26,217.77 112.26,216.47 112.21,216.42 107.03,216.42 106.87,216.26 105.83,216.26 105.67,216.41 105.67,217.78 105.74,217.84 112.18,217.84
SG0_DVDD33 on L27_POWER: 93.71,208.43 93.71,216.9 94.33,217.52 109.09,217.52 110.36,216.25 110.36,208.57 109.92,208.13 94.02,208.13
SG0_GPIO_VDDIO on BOTTOM: 114.32,198.75 114.32,197.45 114.27,197.4 109.22,197.4 109.09,197.53 109.09,198.57 109.35,198.82 114.25,198.82
SG0_GPIO_VDDIO on L15_SIGNAL: 92.9,210.49 92.9,200.48 93.2,200.17 100.18,200.17 102.93,197.42 110.09,197.42 110.53,197.86 110.53,210.42 110.23,210.72 93.13,210.72
SG0_LDOIN on BOTTOM: 112.26,213.73 112.26,212.44 112.21,212.39 107.15,212.39 106.87,212.67 106.87,213.4 107.28,213.81 112.18,213.81
SG0_LDOIN on L17_SIGNAL: 102.68,203.36 90.81,203.36 90.54,203.63 90.54,208.71 90.93,209.1 99.71,209.1 103.94,213.33 110.16,213.33 110.76,212.74 110.76,207.25 108.89,205.38 104.7,205.38
SG0_P0_LDOOUT on L15_SIGNAL: 91.15,177.47 92.06,178.37 92.06,186.25 93.2,187.39 93.2,197.49 92.29,198.4 92.29,204.9 92.06,205.13 84.4,205.13 84.2,204.93 84.2,177.99 84.72,177.47
SG0_P0_VDDIO on BOTTOM: 82.71,190.05 84,190.05 84.05,190.1 84.05,195.15 83.9,195.3 82.91,195.3 82.63,195.02 82.63,190.12
SG0_P0_VDDIO on L27_POWER: 76.37,201.61 76.37,195.26 77.64,193.99 89.39,193.99 89.9,194.5 89.9,202.51 89.67,202.74 77.5,202.74
SG0_P1_LDOOUT on L23_POWER: 92.11,208.66 92.44,208.33 93.66,208.33 94.24,208.91 100.9,208.91 101.6,209.62 110.33,209.62 114.84,205.1 121.42,205.1 121.93,205.61 121.93,214.76 121.43,215.26 93.16,215.26 92.11,214.21
SG0_P1_VDDIO on BOTTOM: 98.13,224.17 96.84,224.17 96.79,224.12 96.79,218.95 96.58,218.74 96.58,218.06 96.66,217.98 98.15,217.98 98.21,218.04 98.21,224.1
SG0_P1_VDDIO on L17_SIGNAL: 94.67,211.34 97.67,211.34 97.85,211.52 97.85,214.27 100.07,216.49 100.07,220.01 99.59,220.49 96.85,220.49 96.35,219.99 96.35,218.05 94.52,216.22 94.52,211.49
SG0_P2_GIGA_MDI+ on TOP (solid shape): 63.51,210.89 63.52,210.83 63.47,210.8 60.89,210.82 61.81,211.26 62.74,211.65
SG0_P2_GIGA_MDI- on TOP (solid shape): 63.47,210.44 63.52,210.41 63.51,210.35 62.74,209.59 61.81,209.98 60.89,210.42
SG0_P3_GIGA_MDI+ on TOP (solid shape): 63.51,215.53 63.52,215.47 63.47,215.44 60.89,215.46 61.81,215.9 62.74,216.29
SG0_P3_GIGA_MDI- on TOP (solid shape): 63.47,215.08 63.52,215.05 63.51,214.99 62.74,214.23 61.81,214.62 60.89,215.06
SG0_P5_LDOOUT on L29_POWER: 91.58,207.31 94.5,207.31 94.7,207.52 94.7,211.68 95.11,212.09 101.14,212.09 107.53,205.7 121.78,205.7 122.07,205.99 122.07,210.76 120.74,212.09 107.17,212.09 101.77,217.49 93.52,217.49 91.32,215.29 91.32,207.57
SG0_P5_VDDIO on BOTTOM: 90.76,224.17 92.06,224.17 92.11,224.12 92.11,218.91 92.03,218.84 90.81,218.84 90.69,218.96 90.69,224.1
SG0_P5_VDDIO on L23_POWER: 83.68,215.65 83.68,212.41 84.76,211.33 90.97,211.33 91.5,211.86 91.5,214.52 92.88,215.9 92.91,215.9 92.91,220.59 91.88,221.62 89.65,221.62
SG0_SRC_DVDD09 on TOP: 121.51,34.84 121.51,36.49 121.77,36.75 130.53,36.75 130.66,36.62 130.66,34.84 130.4,34.59 121.77,34.59
SG0_SRC_DVDD09 on BOTTOM: 109.09,206.93 109.01,206.86 109.01,205.64 109.14,205.51 117.64,205.51 117.94,205.82 117.94,206.78 117.79,206.93
SG0_SRC_DVDD09 on BOTTOM: 117.87,203.81 117.87,202.52 117.82,202.47 110.62,202.47 110.55,202.54 110.55,203.76 110.68,203.89 117.79,203.89
SG0_SRC_DVDD09 on L11_SIGNAL: 46.53,22.85 46.53,130.58 24.07,153.04 24.07,214.54 24.15,214.62 24.15,225.54 28.4,229.8 29.82,229.8 30.58,230.55 75.91,230.55 87.29,219.17 115.3,219.17 118.78,215.69 118.78,186.25 117.48,184.95 65.77,184.95 60.9,189.81 56.43,189.81 50.83,195.42 49.47,195.42 48.96,194.91 48.96,175.67 50.43,174.2 91.49,174.2 95.78,169.9 95.78,64.01 113.35,46.45 185.38,46.45 188.31,43.51 188.31,19.91 185.15,16.74 52.64,16.74
SG0_SRC_DVDD33 on TOP: 127.62,40.2 135.34,40.2 135.62,40.48 135.62,44.36 135.82,44.57 135.82,46.9 135.77,46.96 127.75,46.96 127.29,46.5 127.29,40.53
SG0_SRC_DVDD33 on BOTTOM: 94,185.75 92.7,185.75 92.65,185.8 92.65,191.45 92.74,191.54 93.84,191.54 94.08,191.3 94.08,185.83
SG0_SRC_DVDD33 on BOTTOM: 115.8,210.31 115.8,211.61 115.75,211.66 110.54,211.66 110.47,211.58 110.47,210.37 110.59,210.24 115.73,210.24
SG0_SRC_DVDD33 on BOTTOM: 96.09,228.15 96.09,222.53 96.04,222.48 93.02,222.48 92.87,222.63 92.87,228.09 93.03,228.25 95.99,228.25
SG0_SRC_DVDD33 on BOTTOM: 94.41,185.75 95.7,185.75 95.75,185.8 95.75,191.48 95.72,191.52 94.42,191.52 94.33,191.42 94.33,185.83
SG0_SRC_DVDD33 on BOTTOM: 115.8,214.35 115.8,215.64 115.75,215.69 110.54,215.69 110.47,215.62 110.47,214.4 110.59,214.27 115.73,214.27
SG0_SRC_DVDD33 on BOTTOM: 86.13,185.75 84.83,185.75 84.78,185.8 84.78,191.45 84.87,191.54 85.96,191.54 86.67,190.83 88.48,190.83 88.6,190.7 88.6,189.38 88.4,189.18 86.68,189.18 86.2,188.7 86.2,185.83
SG0_SRC_DVDD33 on BOTTOM: 117.87,195.33 117.87,196.62 117.82,196.67 112.61,196.67 112.53,196.6 112.53,195.38 112.66,195.25 117.79,195.25
SG0_SRC_DVDD33 on L13_SIGNAL: 101.04,19.91 336.61,19.91 338.72,22.02 338.72,28.86 339.27,29.4 339.27,62.8 334.8,67.27 171.79,67.27 161.5,77.56 161.5,116.77 154.89,123.38 140.75,123.38 137.17,126.96 137.17,161.52 142.7,167.06 162.47,167.06 164.71,169.29 164.71,182.81 162.7,184.82 132.1,184.82 129.8,182.52 119.85,182.52 118.1,184.27 118.1,223.08 112.78,228.4 85.23,228.4 82.88,226.05 82.88,38.07
SG0_SWR09_OFFLINE on TOP: 125,39.99 125.32,39.67 125.32,37.76 125,37.45 118.02,37.45 117.7,37.76 115.92,37.76 115.54,37.38 115.54,35.61 115.92,35.22 116.31,35.22 116.56,34.97 116.56,32.94 116.31,32.68 114.53,32.68 114.21,33 114.21,38.72 115.48,39.99
SG0_VBAT on L03_SIGNAL: 90.67,208.93 90.51,209.09 59.57,209.09 57.26,206.78 57.26,201.56 57.98,200.84 90.25,200.84 90.67,201.26
SG0_VDC on TOP: 137.3,30.52 144.29,30.52 144.92,29.88 144.92,24.17 144.29,23.53 137.94,23.53 136.67,24.8 136.67,29.88
SG1_1_P2_GIGA_MDI+ on TOP (solid shape): 634.29,201.64 634.34,201.61 634.33,201.55 633.57,200.79 632.63,201.18 631.71,201.62
